# Altium PCB VNGS01 V1.31.PcbDoc (part 1 of 2) (continued)
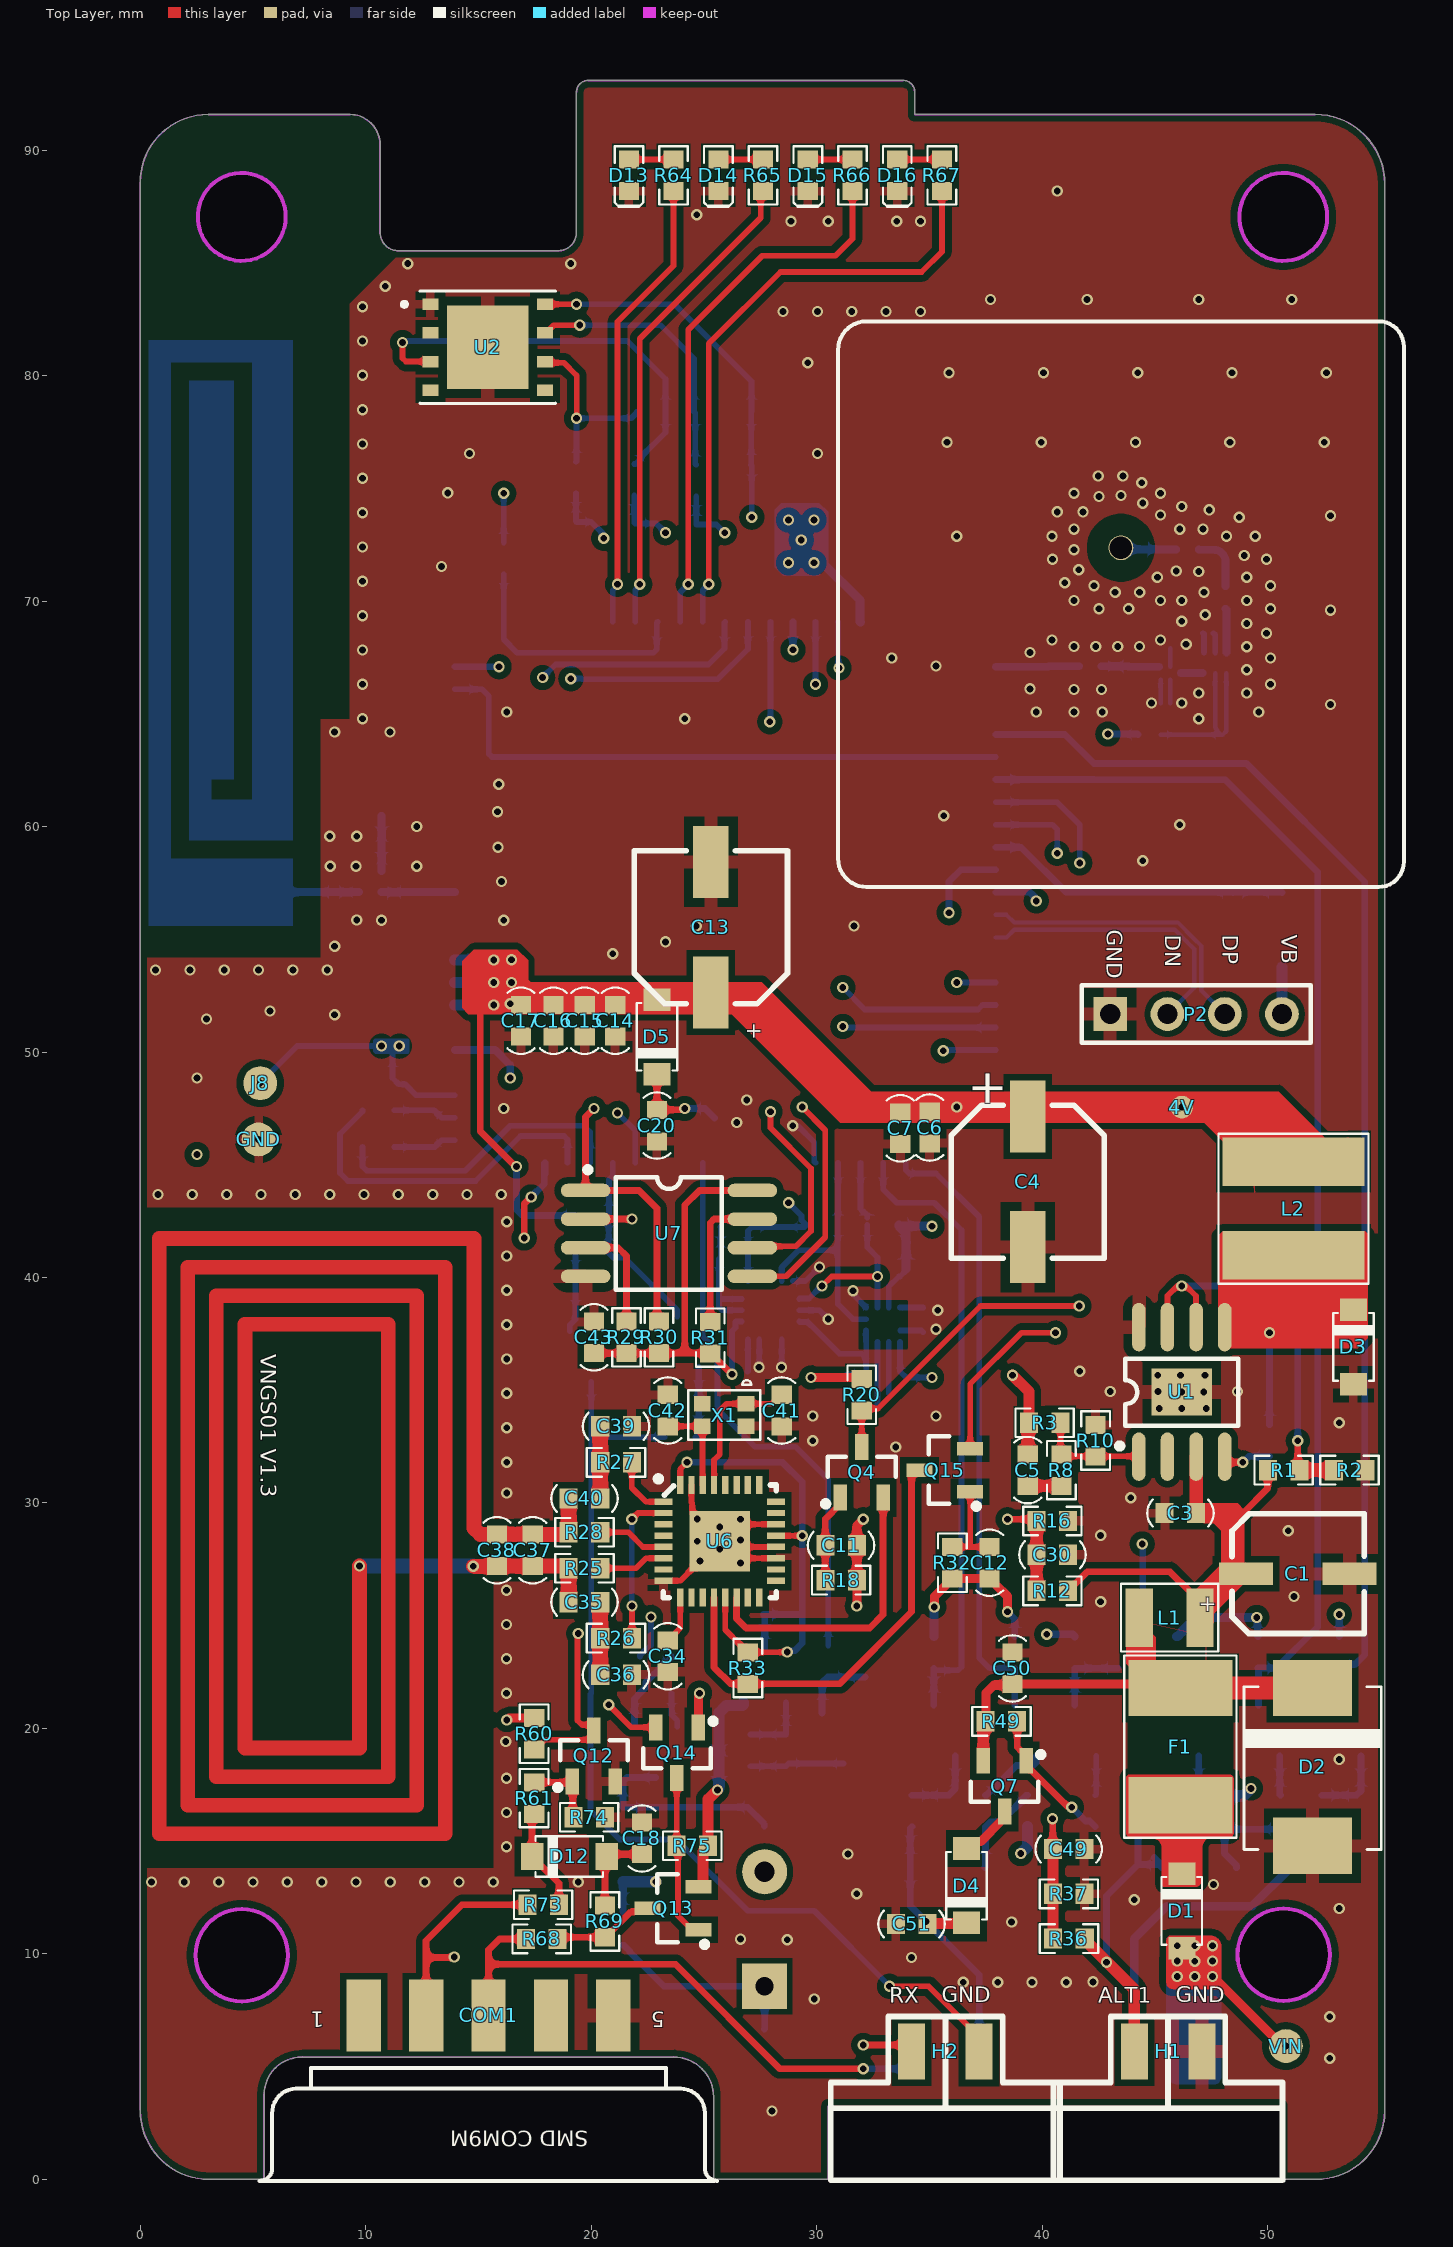
[diagram p0: Top Layer view]
## Design rules (kind name [scope] priority, off if disabled: settings) (continued)
Width [All] p2: maxlimit=1.27 minlimit=0.2 preferedwidth=0.3 minimp=50.000000 maximp=50.000000 favimp=50.000000
22 further rules are at their usual default settings.

## Classes and differential pairs
net class RF: GNSS_ANT NetAT1_1 NetAT2_1 NetC24_1 NetC27_1 NetC28_2 NetL4_1 NetU4_6 RF_ANT
differential pair class DIFF90: USB
component class "08 Peripherral": C18 C49 C50 C51 COM1 D4 D9 D10 D12 D13 D14 D15 D16 H1 H2 Q5 Q6 Q7 Q8 Q9 Q10 Q11 Q12 Q13 Q14 Q16 Q17 R36 R37 R38 R39 R40 R41 R42 R43 R44 R45 R46 R47 R48 R49 R50 R51 R52 R53 R54 R55 R56 R59 R60 R61 R62 R63 R64 R65 R66 R67 R68 R69 R70 R71 R72 R73 R74 R75
component class "07 Motion": C44 C45 C46 C47 C48 R34 R35 U8 U9
component class "06 Memories": C43 R29 R30 R31 U7
component class "05 RFID": C10 C11 C12 C33 C34 C35 C36 C37 C38 C39 C40 C41 C42 Q2 Q3 Q4 Q15 R18 R20 R21 R22 R23 R24 R25 R26 R27 R28 R32 R33 U6 X1
component class "04 Open MCU": AT1 AT2 BOOT C8 C9 C19 C20 C22 C24 C25 C26 C27 C28 C29 C30 C31 C52 C53 C54 D5 D6 D7 J1 J3 J8 L4 LS1 LS2 P2 Q1 R4 R5 R6 R7 R9 R11 R12 R13 R14 R15 R16 R17 R19 R57 U2 U3 U4 U5
component class "03 Power DC": 4V C1 C2 C3 C4 C5 C6 C7 C13 C14 C15 C16 C17 D1 D2 D3 F1 gnd GND2 L1 L2 R1 R2 R3 R8 R10 U1 VIN
differential pair USB: +USB_P -USB_N

## Components (designator, comment, footprint, x,y, rotation, side; value= is the part's Value field where it differs from the comment)
4V "" "Test Point 1 MM"#1 46.2,47.561 r0 top
AT1 "Anten RF" ANT_GSM 0.36,55.6 r90 bottom locked
AT2 "25x25x4" "Jinchang - 1575" 43.5,69.875 r180 top locked
BOOT "" "Test Point 1 MM"#1 16.118,74.791 r90 bottom
C1 "10uF/35V" CAP_ALUM_SMD_5054_TYPE_C 51.348,26.857 r0 top
C2 "100nF" "0603 - C" 50.089,32.768 r90 bottom
C3 "100nF" "0603 - C" 46.14,29.55 r0 top
C4 "220uF/6.3V" CAP_ALUM_SMD_6354_TYPE_D 39.367,44.251 r270 top
C5 "100nF" "0603 - C" 39.367,31.456 r270 top
C6 "10uF" "0603 - C" 35.016,46.655 r90 top
C7 "100nF" "0603 - C" 33.709,46.624 r90 top
C8 "NM" "0402 - C" 48.477,64.09 r0 bottom
C9 "NM" "0402 - C" 44.757,64.09 r180 bottom
C10 "100nF" "0603 - C" 26.365,19.724 r180 bottom
C11 "1nF" "0603 - C" 31.084,28.118 r0 top
C12 "1nF" "0603 - C" 37.674,27.347 r270 top
C13 "220uF/6.3V" CAP_ALUM_SMD_6354_TYPE_D 25.308,55.542 r90 top
C14 "1uF" "0603 - C" 21.068,51.394 r90 top
C15 "100nF" "0603 - C" 19.706,51.394 r90 top
C16 "33pF" "0603 - C" 18.322,51.394 r90 top
C17 "10pF" "0603 - C" 16.88,51.394 r90 top
C18 "100nF" "0603 - C" 22.25,15.115 r270 top
C19 "2.2uF" "0603 - C" 10.486,48.897 r180 bottom
C20 "2.2uF" "0603 - C" 22.915,46.743 r90 top
C22 "100nF" "0603 - C" 48.464,57.788 r270 bottom
C24 "470pF" "0402 - C" 46.453,72.305 r180 bottom
C25 "NM" "0402 - C" 11.8,56.6 r90 bottom
C26 "NM" "0402 - C" 8.6,56.6 r90 bottom
C27 "NM" "0402 - C" 40.293,66.616 r270 bottom
C28 "NM" "0402 - C" 11.202,59.105 r180 bottom
C29 "100nF" "0603 - C" 27.791,76.054 r0 bottom
C30 "100nF" "0603 - C" 40.46,27.701 r180 top
C31 "22pF" "0603 - C" 21.949,72.754 r90 bottom
C33 "100nF" "0603 - C" 26.945,25.056 r0 bottom
C34 "1nF" "0603 - C" 23.4,23.2 r270 top
C35 "150pF" "0603 - C" 19.7,25.6 r180 top
C36 "150pF" "0603 - C" 21.1,22.375 r180 top
C37 "220pF" "0603 - C" 17.4,27.9 r270 top
C38 "220pF" "0603 - C" 15.819,27.9 r90 top
C39 "150pF" "0603 - C" 21.1,33.4 r0 top
C40 "150pF" "0603 - C" 19.7,30.2 r180 top
C41 "22pF" "0603 - C" 28.447,34.1 r90 top
C42 "22pF" "0603 - C" 23.4,34.1 r270 top
C43 "100nF" "0603 - C" 20.121,37.347 r270 top
C44 "100nF" "0603 - C" 34.675,40.374 r180 bottom
C45 "100nF" "0603 - C" 33.975,34.863 r90 bottom
C46 "100nF" "0603 - C" 31.23,34.863 r90 bottom
C47 "10uF" "0603 - C" 26.432,42.243 r0 bottom
C48 "100nF" "0603 - C" 26.442,40.9 r0 bottom
C49 "100nF_NM" "0603 - C" 41.18,14.643 r180 top
C50 "100nF_NM" "0603 - C" 38.686,22.659 r270 top
C51 "100nF_NM" "0603 - C" 34.212,11.32 r0 top
C52 "22pF" "0603 - C" 19.32,72.851 r90 bottom
C53 "22pF" "0603 - C" 24.668,72.714 r90 bottom
C54 "NM" "0402 - C" 43.841,66.616 r270 bottom
COM1 "DB9 MALE" "DSB 9M-SM" 15.443,8.941 r180 top locked
D1 "60V 2A" SOD-123 46.2,11.9 r0 top
D2 "SMCJ33CA" "DIODE - SMC" 52,18.29 r270 top
D3 "60V 2A" SOD-123 53.815,36.926 r0 top
D4 "60V 2A" SOD-123 36.65,13.017 r180 top
D5 "1N4148" SOD-123 22.915,50.681 r180 top
D6 "60V 2A" SOD-123 50.645,55.431 r180 bottom
D7 "1N4148" SOD-123 21.408,14.846 r0 bottom
D9 "1N4148" SOD-123 46.978,13.82 r270 bottom
D10 "1N4148" SOD-123 35.81,13.83 r270 bottom
D12 "1N4148" SOD-123 19.027,14.318 r90 top
D13 "RED" "LED - 0603 - R" 21.673,88.9 r270 top locked
D14 "RED" "LED - 0603 - R" 25.642,88.9 r270 top locked
D15 "RED" "LED - 0603 - R" 29.61,88.9 r270 top locked
D16 "RED" "LED - 0603 - R" 33.579,88.9 r270 top locked
F1 "60V-750mA" "2016 - FUSE" 46.14,19.19 r90 top
GND "" "Test Point 1 MM"#2 5.24,46.125 r90 top
GND2 "" "Test Point 1 MM"#1 13.639,74.812 r90 bottom
H1 "MX3.0 RA 2*2P S" 43045-M3045-2x2-B 45.593,1.219 r0 top locked
H2 "MX3.0 RA 2*2P S" 43045-M3045-2x2-B 35.712,1.219 r0 top locked
J1 "IPEX MHF1_NM" IPEX 10.7,61.992 r270 bottom
J3 "MUP-C7801-2" MUP-C7801-2 26.84,85.158 r0 bottom locked
J8 "1V8" TP1 5.313,48.625 r0 top
L1 "2.2uH" "1210 - L" 45.663,24.912 r0 top
L2 "33uH, 1.5A" INDUCTOR-5D28 51.155,43.054 r90 top
L4 "6.8nH" "0402 - L" 48.143,70.171 r90 bottom
LS1 "3V SMD" "BUZZER - SMD - 1" 27.681,11.163 r90 bottom locked
LS2 "3V 9mm" Buzzer 27.695,11.097 r90 bottom locked
P2 "Header 4P" HDR1X4 43.025,51.69 r0 top
Q1 "2N3904" SOT23B 22.865,18.949 r270 bottom
Q2 "IRLML6402" SOT23B 27.695,22.275 r90 bottom
Q3 "2N3904" SOT23B 31.192,19.561 r270 bottom
Q4 "2N3904" SOT23B 31.999,31.358 r90 top
Q5 "2N3904" SOT23B 46,19.901 r90 bottom
Q6 "2N3904" SOT23B 35.2,19.901 r90 bottom
Q7 "IRLML6402" SOT23B 38.34,17.438 r270 top
Q8 "2N3904" SOT23B 53.2,19.901 r90 bottom
Q9 "2N3904" SOT23B 49.6,19.901 r90 bottom
Q10 "2N3904" SOT23B 38.8,19.901 r90 bottom
Q11 "2N3904" SOT23B 42.4,19.901 r270 bottom
Q12 "2N3904" SOT23B 20.117,18.774 r90 top
Q13 "2N3906" SOT23B 23.629,12.016 r180 top
Q14 "2N3904" SOT23B 23.804,18.919 r270 top
Q15 "2N3904" SOT23B 35.685,31.456 r180 top
Q16 "2N3904" SOT23B 23.815,37.147 r90 bottom
Q17 "2N3904" SOT23B 20,36.496 r270 bottom
R1 "510K" "0603 - R" 50.718,31.456 r180 top
R2 "510K" "0603 - R" 53.643,31.456 r180 top
R3 "510K" "0603 - R" 40.117,33.556 r180 top
R4 "10K" "0603 - R" 10.555,47.419 r180 bottom
R5 "10K" "0603 - R" 10.555,45.794 r180 bottom
R6 "0R" "0402 - R" 10.2,57.1 r180 bottom
R7 "0R" "0402 - R" 10.7,57.532 r90 bottom
R8 "4.7K" "0603 - R" 40.859,31.456 r270 top
R9 "1K" "0603 - R" 16.118,71.907 r270 bottom
R10 "27K" "0603 - R" 42.376,32.768 r270 top
R11 "10K" "0603 - R" 21.408,11.072 r270 bottom
R12 "150K" "0603 - R" 40.46,26.101 r0 top
R13 "22R" "0603 - R" 24.663,75.354 r90 bottom
R14 "22R" "0603 - R" 19.32,75.491 r90 bottom
R15 "1K" "0603 - R" 22.865,23.187 r0 bottom
R16 "4.7K" "0603 - R" 40.46,29.201 r180 top
R17 "22R" "0603 - R" 21.914,75.394 r90 bottom
R18 "4.7K" "0603 - R" 31.084,26.574 r0 top
R19 "10K" "0603 - R" 22.865,21.56 r180 bottom
R20 "10K" "0603 - R" 31.999,34.8 r90 top
R21 "1K" "0603 - R" 30.515,22.975 r270 bottom
R22 "10K" "0603 - R" 32.142,22.975 r270 bottom
R23 "10K" "0603 - R" 26.365,18.324 r180 bottom
R24 "100K" "0603 - R" 28.645,19.024 r90 bottom
R25 "330R" "0603 - R" 19.7,27.1 r180 top
R26 "0R" "0603 - R" 21.1,24 r180 top
R27 "0R" "0603 - R" 21.1,31.8 r180 top
R28 "330R" "0603 - R" 19.7,28.7 r180 top
R29 "10K" "0603 - R" 21.564,37.347 r270 top
R30 "10K" "0603 - R" 23.008,37.347 r270 top
R31 "10K" "0603 - R" 25.279,37.333 r270 top
R32 "4.7K" "0603 - R" 36.023,27.347 r270 top
R33 "10K" "0603 - R" 26.949,22.675 r90 top
R34 "4.7K" "0603 - R" 30.242,42.329 r180 bottom
R35 "4.7K" "0603 - R" 32.95,42.329 r0 bottom
R36 "10K_NM" "0603 - R" 41.195,10.673 r0 top
R37 "4.7K_NM" "0603 - R" 41.19,12.658 r180 top
R38 "10K" "0603 - R" 45.97,23.375 r90 bottom
R39 "10K" "0603 - R" 35.217,23.375 r90 bottom
R40 "68K" "0603 - R" 44.123,16.36 r90 bottom
R41 "68K" "0603 - R" 34.236,16.334 r90 bottom
R42 "10K" "0603 - R" 45.733,16.292 r90 bottom
R43 "10K" "0603 - R" 35.825,16.334 r90 bottom
R44 "10K" "0603 - R" 53.187,23.375 r90 bottom
R45 "10K" "0603 - R" 49.58,23.375 r90 bottom
R46 "10K" "0603 - R" 38.79,23.37 r90 bottom
R47 "10K" "0603 - R" 48.1,16.223 r90 bottom
R48 "10K" "0603 - R" 39.351,16.334 r270 bottom
R49 "1M_NM" "0603 - R" 38.199,20.312 r180 top
R50 "68K" "0603 - R" 52.416,16.334 r270 bottom
R51 "210K" "0603 - R" 51.689,13.83 r0 bottom
R52 "68K" "0603 - R" 50.581,16.334 r90 bottom
R53 "68K" "0603 - R" 37.493,16.334 r90 bottom
R54 "100K" "0603 - R" 42.365,16.334 r270 bottom
R55 "10K" "0603 - R" 54.05,16.334 r270 bottom
R56 "10K" "0603 - R" 41.45,23.37 r270 bottom
R57 "0R" "0402 - R" 42.141,67.123 r180 bottom
R59 "10K_NM" "0603 - R" 43.37,23.37 r270 bottom
R60 "10K" "0603 - R" 17.466,19.758 r90 top
R61 "10K" "0603 - R" 17.466,16.904 r90 top
R62 "10K" "0603 - R" 20,42.747 r180 bottom
R63 "1K" "0603 - R" 23.95,32.909 r0 bottom
R64 "120R" "0603 - R" 23.651,88.9 r270 top locked
R65 "120R" "0603 - R" 27.62,88.9 r270 top locked
R66 "120R" "0603 - R" 31.588,88.9 r270 top locked
R67 "120R" "0603 - R" 35.557,88.9 r270 top locked
R68 "1K" "0603 - R" 17.804,10.657 r180 top
R69 "10K" "0603 - R" 20.606,11.432 r270 top
R70 "10K" "0603 - R" 23.95,34.309 r0 bottom
R71 "1K_NM" "0603 - R" 20,41.216 r180 bottom
R72 "10K_NM" "0603 - R" 20,39.433 r180 bottom
R73 "1K" "0603 - R" 17.865,12.175 r180 top
R74 "10K" "0603 - R" 19.906,16.054 r0 top
R75 "1K" "0603 - R" 24.479,14.789 r0 top
U1 "MP9486A" "SOIC8 - POWER" 46.2,34.925 r90 top
U2 "e-SIM" "E-SIM 5*6mm" 12.412,78.785 r0 top
U3 "A7672x" A7672 25.95,57.09 r270 bottom locked
U4 "MAX2659ELT+T" SOT886 47.681,67.267 r270 bottom
U5 "SAFFB1G56KB0F0A" SAFFB1G56KB0F0A 46.232,66.365 r180 bottom
U6 "CR95HF" 32-VFQFN 25.7,28.3 r0 top locked
U7 "Flash 64Mbit" "8 - SOIC" 23.448,41.958 r0 top
U8 "KXTJ3-1057" KIONIX_KXTJ3-1057 32.95,37.905 r270 bottom locked
U9 "LIS3DSHTR" "QFN16P 3x3 - 1" 27.95,38.547 r270 bottom
VIN "" "Test Point 1 MM"#2 50.819,5.904 r90 top
X1 "Crystal 27.12MHz" "CRYSTAL 2016" 25.9,33.9 r270 top

## Footprints (in the part's own frame and the unit in brackets; to place one, negate y for a bottom-side part, rotate by r counter-clockwise, add the part's x,y. Pads: shape width x height; smd on the part's side, far side on the other; paste and mask are expansions set on the pad)
"8 - SOIC" [mm] "SOIC, 8-Leads, Body 5.3x3.9mm, Pitch 1.27mm, IPC Medium Density"
  oval 2.2x0.6 smd: 1(-3.7,1.905) 2(-3.7,0.635) 3(-3.7,-0.635) 4(-3.7,-1.905) 5(3.7,-1.905) 6(3.7,-0.635) 7(3.7,0.635) 8(3.7,1.905)
  silkscreen extent -3.72,-2.5 2.35,2.95, body extent -4.08,-2.73 4.02,2.73, height 1.75
32-VFQFN [mil] "VFQFN, 32-lead, Body 5x5 mm, 0.5 mm pitch,IPC High Density"
  rect 31.5x11 smd mask+4.5: 1(-98.42,68.89) 2(-98.42,49.21) 3(-98.42,29.53) 4(-98.42,9.84) 5(-98.42,-9.84) 6(-98.42,-29.52) 7(-98.42,-49.21) 8(-98.42,-68.89) 17(98.43,-68.89) 18(98.43,-49.21) 19(98.43,-29.52) 20(98.43,-9.84) 21(98.43,9.84) 22(98.43,29.53) 23(98.43,49.21) 24(98.43,68.89)
  rect 11x31.5 smd mask+4.5: 9(-68.91,-98.42) 10(-49.22,-98.42) 11(-29.54,-98.42) 12(-9.86,-98.42) 13(9.83,-98.42) 14(29.51,-98.42) 15(49.19,-98.42) 16(68.88,-98.42) 25(68.88,98.43) 26(49.19,98.43) 27(29.51,98.43) 28(9.83,98.43) 29(-9.86,98.43) 30(-29.54,98.43) 31(-49.22,98.43) 32(-68.91,98.43)
  rect 106.3x106.3 smd paste-118.11: 33(0.08,-0.06)
  silkscreen extent -112,-99 99,114, body extent -99,-99 99,99, height 30
"0402 - C" [mm] "Chip Capacitor, Body 1.0x0.5mm, IPC High Density"
  rect 0.6x0.5 smd: 1(-0.5,0) 2(0.5,0)
  silkscreen extent -1.12,-0.43 1.12,0.43, body extent -0.5,-0.26 0.5,0.27, height 0.36
"0402 - L" [mm] "Chip Inductor, Body 1.0x0.5mm, IPC High Density"
  rect 0.6x0.5 smd: 1(-0.5,0) 2(0.5,0)
  silkscreen extent -0.99,-0.43 0.99,0.43, body extent -0.5,-0.25 0.5,0.25, height 0.25
"0402 - R" [mm] "Chip Resistor, Body 1.0x0.5mm, IPC High Density"
  rect 0.6x0.5 smd: 1(-0.5,0) 2(0.5,0)
  silkscreen extent -0.99,-0.43 0.99,0.43, body extent -0.5,-0.25 0.5,0.25, height 0.35
"0603 - C" [mm] "Chip Capacitor, Body 1.6x0.8mm, IPC High Density"
  rect 0.8x0.9 smd: 1(-0.7,0) 2(0.7,0)
  silkscreen extent -1.47,-0.6 1.47,0.6, body extent -0.8,-0.4 0.8,0.4, height 0.8
"0603 - R" [mm] "Chip Resistor, Body 1.6x0.8mm, IPC High Density"
  rect 0.8x0.9 smd paste-0.025: 1(-0.7,0) 2(0.7,0)
  silkscreen extent -1.3,-0.64 1.3,0.64, body extent -0.77,-0.42 0.78,0.43, height 0.45
"1210 - L" [mm] "Chip Capacitor, Body 2.54x1.27mm, IPC High Density"
  rect 1.2x2.6 smd: 1(-1.35,0) 2(1.35,0)
  silkscreen extent -2.16,-1.5 2.16,1.5, body extent -1.6,-1.25 1.6,1.25, height 1.9
"2016 - FUSE" [mm] "Chip Resetable Fuse,  Body 5.1x4.2mm, IPC High Density"
  rect 2.5x4.6 smd: 1(-2.6,0) 2(2.6,0)
  silkscreen extent -4.04,-2.49 4.04,2.49, body extent -2.72,-2.25 2.72,2.26, height 2
43045-M3045-2x2-B [mm] "Micro-Fit 3.0™ Vertical Angle Header, 3.00mm Pitch, Dual Row, 4 Circuits, with Solder Tab, Gold, Glow Wire Capable, Black"
  rect 1.2x2.5 smd far side: 1(-1.5,4.445) 3(1.5,4.445)
  rect 1.2x2.5 smd: 2(-1.5,4.445) 4(1.5,4.445)
  silkscreen extent -5.08,-1.27 5.08,5.99, body extent -4.86,-7.97 4.86,5.68, height 3.62
A7672 [mm]
  oval 1.6x0.6 smd: 1(-12,8) 2(-12,7) 3(-12,6) 4(-12,5) 5(-12,4) 6(-12,3) 7(-12,2) 8(-12,1) 9(-12,0) 10(-12,-1) 11(-12,-2) 12(-12,-3) 13(-12,-4) 14(-12,-5) 15(-12,-6) 16(-12,-7) 17(-12,-8) 35(12,-8) 36(12,-7) 37(12,-6) 38(12,-5) 39(12,-4) 40(12,-3) 41(12,-2) 42(12,-1) 43(12,0) 44(12,1) 45(12,2) 46(12,3) 47(12,4) 48(12,5) 49(12,6) 50(12,7) 51(12,8)
  oval 0.6x1.6 smd: 18(-8,-12) 19(-7,-12) 20(-6,-12) 21(-5,-12) 22(-4,-12) 23(-3,-12) 24(-2,-12) 25(-1,-12) 26(0,-12) 27(1,-12) 28(2,-12) 29(3,-12) 30(4,-12) 31(5,-12) 32(6,-12) 33(7,-12) 34(8,-12) 52(8,12) 53(7,12) 54(6,12) 55(5,12) 56(4,12) 57(3,12) 58(2,12) 59(1,12) 60(0,12) 61(-1,12) 62(-2,12) 63(-3,12) 64(-4,12) 65(-5,12) 66(-6,12) 67(-7,12) 68(-8,12) 89(-11.01,-12) 90(-10.01,-12) 91(-9,-12) 92(9,-12) 93(10,-12) 94(11,-12) 95(11,12) 96(10,12) 97(9,12) 98(-9.01,12) 99(-10.01,12) 100(-11.01,12)
  rect 2x2 smd: 69(-7.611,7.6) 70(-7.611,3.8) 71(-7.611,0) 72(-7.611,-3.8) 73(-7.611,-7.6) 74(-3.811,-7.6) 75(-0.011,-7.6) 76(3.789,-7.6) 77(7.589,-7.6) 78(7.589,-3.8) 79(7.589,0) 80(7.589,3.8) 81(7.589,7.6) 82(3.589,7.6) 83(-0.011,7.6) 84(-3.811,7.6) 85(-3.811,0) 86(-0.011,-3.8) 87(3.789,0) 88(-0.011,3.8)
  rect 1x0.8 smd: 116(9.79,0.7)
  silkscreen extent -14.1,-12.07 12.08,12.08, body extent -12.02,-11.93 11.99,12.08, height 3.02
ANT_GSM [mm] "Antenna GSM PCB"
  rect 3x1.5 smd mask+0.102: 1(1.5,5.64)
  Top Layer region: 6.5,3.8 24.2,3.8 24.2,1.8 6.5,1.8
  Top Layer region: 3.8,6.4 5.6,6.4 5.6,1.8 3.8,1.8
  Top Layer region: 3.8,6.4 26,6.4 26,4.6 3.8,4.6
  Top Layer region: 25,6.4 26,6.4 26,0 25,0
  Top Layer region: 0,6.4 3,6.4 3,0 0,0
  Top Layer region: 0,1 26,1 26,0 0,0
  Top Layer region: 3.8,2.801 24.2,2.801 24.2,1.801 3.8,1.801
  silkscreen extent -0.3,-0.22 26.22,6.68
Buzzer [mm] "Buzer 9mm"
  rect 2x2 hole 0.8: 1(-2.54,0)
  round 2 hole 0.889: 2(2.54,0)
  silkscreen extent -4.6,-4.6 4.6,4.6, body extent -4.55,-4.55 4.55,4.55, height 5.6
"BUZZER - SMD - 1" [mm] "Buzer 9mm, SMD"
  rect 3x1.8 smd: 1(-4.5,0) 2(4.5,0)
  silkscreen extent -6.25,-4.8 4.8,4.8, body extent -5,-4.8 5,4.8, height 4.85
CAP_ALUM_SMD_5054_TYPE_C [mm]
  rect 2.4x1 smd paste-0.05: 1(-2.3,0) 2(2.3,0)
  silkscreen extent -2.92,-2.65 2.95,2.67, body extent -2.95,-2.65 2.95,2.65, height 5.41
CAP_ALUM_SMD_6354_TYPE_D [mm] "Capacitor, Aluminum Electrolytic; 6.60 mm L X 6.60 mm W X 5.40 mm H body"
  rect 3.2x1.58 smd paste-0.1: 1(-2.9,0) 2(2.9,0)
  silkscreen extent -3.4,-3.4 3.4,3.4, body extent -3.47,-3.3 3.53,3.3, height 5.4
"CRYSTAL 2016" [mm] "Surface Mount,4-SMD, No Lead (DFN, LCC),2.00mm x 1.60mm"
  rect 0.7x0.75 smd mask+0.119: 1(-0.5,0.975) 2(-0.5,-0.975) 3(0.5,-0.975) 4(0.5,0.975)
  silkscreen extent -1.55,-1.6 1.1,1.6, body extent -0.77,-0.98 0.83,1.01, height 0.7
"DIODE - SMC" [mm] "Diode; 2 Leads, 6.8x5.9mm"
  rect 2.5x3.5 smd: 1(3.5,0) 2(-3.5,0)
  silkscreen extent -3.56,-3.1 3.66,3.05, body extent -4.06,-3.05 4.07,3.05, height 2.4
"DSB 9M-SM" [mil] "Com 9 chan SMD,F"
  rect 60x125.98 smd: 1(218.11,66) 2(109.06,66) 3(0,66) 4(-109.06,66) 5(-218.11,66)
  rect 60x125.98 smd far side: 6(163.58,66) 7(54.53,66) 8(-54.53,66) 9(-163.58,66)
  silkscreen extent -399,158 400,355, body extent -606,20 607,619, height 220
"E-SIM 5*6mm" [mm]
  rect 0.71x0.51 smd: 1(0.447,4.394) 2(0.447,3.124) 3(0.447,1.854) 4(0.447,0.584) 5(5.547,0.584) 6(5.547,1.854) 7(5.547,3.124) 8(5.547,4.394)
  rect 3.6x3.7 smd paste-3: 9(2.997,2.489)
  silkscreen extent -0.8,-0.01 6,4.99, body extent 0,-0.01 6,4.99, height 0.82
HDR1X4 [mm] "Connector; Header; 4 Position"
  rect 1.5x1.5 hole 0.9: 1(0,0)
  round 1.5 hole 0.9: 2(2.54,0) 3(5.08,0) 4(7.62,0)
  silkscreen extent -1.27,-1.27 8.89,1.27, body extent -1.27,-1.27 8.89,1.27, height 7
INDUCTOR-5D28 [mm] "Shielded Inductor 6x6mm"
  rect 2.15x6.3 smd: 1(-2.075,0) 2(2.075,0)
  silkscreen extent -3.33,-3.33 3.33,3.33, body extent -3.1,-3 2.9,3, height 3
IPEX [mm] "Connector SMA, 3mmx3.1mm, high 1.25mm."
  rect 1x1 smd: 1(1.5,0)
  rect 2.2x1.1 smd: 2(0,-1.45) 2(0,1.45)
  Top Layer pour cut-out: -1.194,0.787 -1.194,-0.787 1.194,-0.787 1.194,0.787
  silkscreen extent -1.6,-1.55 1.6,1.55, body extent -1.55,-1.5 1.55,1.5, height 1.25
"Jinchang - 1575" [mm] "Anten GPS, 25x25x4mm"
  round 1.1 hole 1: 1(0,-2.5)
  round 2.5 smd far side: 1(0,-2.5)
  Top Layer pour cut-out: -1.5,-2.5 -1.386,-3.074 -1.061,-3.561 -0.574,-3.886 0,-4 0,-4 0.574,-3.886 1.061,-3.561 1.386,-3.074 1.5,-2.5 1.5,-2.5 1.386,-1.926 1.061,-1.439 0.574,-1.114 0,-1 0,-1 -0.574,-1.114 -1.061,-1.439 -1.386,-1.926 -1.5,-2.5
  Bottom Layer pour cut-out: -1.75,-2.5 -1.617,-3.17 -1.237,-3.737 -0.67,-4.117 0,-4.25 0,-4.25 0.67,-4.117 1.237,-3.737 1.617,-3.17 1.75,-2.5 1.75,-2.5 1.617,-1.83 1.237,-1.263 0.67,-0.883 0,-0.75 0,-0.75 -0.67,-0.883 -1.237,-1.263 -1.617,-1.83 -1.75,-2.5
  silkscreen extent -12.55,-12.55 12.55,12.55, body extent -12.55,-12.4 12.45,12.6, height 5
KIONIX_KXTJ3-1057 [mm]
  rect 0.275x0.25 smd: 1(-0.763,0.75) 2(-0.763,0.25) 3(-0.763,-0.25) 4(-0.763,-0.75) 7(0.763,-0.75) 8(0.763,-0.25) 9(0.763,0.25) 10(0.763,0.75)
  rect 0.25x0.275 smd: 5(-0.25,-0.763) 6(0.25,-0.763) 11(0.25,0.763) 12(-0.25,0.763)
  silkscreen extent -1.7,-1.19 1.19,1.19
"LED - 0603 - R" [mm] "Chip Capacitor, Body 1.6x0.8mm, IPC High Density"
  rect 0.8x0.9 smd: 1(-0.7,0) 2(0.7,0)
  silkscreen extent -1.3,-0.64 1.4,0.64, body extent -0.8,-0.4 0.8,0.4, height 0.6
MUP-C7801-2 [mm]
  rect 0.75x1.13 smd: 1(0.26,6.743) 2(-2.28,6.743) 3(-4.82,6.743) 5(1.53,6.743) 6(-1.01,6.743) 7(-3.55,6.743)
  rect 0.65x1.13 smd: CD(2.48,6.743)
  rect 0.58x1.9 smd: FR(-6.5,-6.742) FR(6.5,-6.742)
  rect 0.58x2.2 smd: FR(-6.5,5.258) FR(6.5,5.258)
  Top Layer pour cut-out: 0.285,-7.143 2.235,-7.143 2.235,-4.343 0.285,-4.343
  Top Layer pour cut-out: -2.255,-7.143 -0.305,-7.143 -0.305,-4.343 -2.255,-4.343
  Top Layer pour cut-out: 0.485,-1.242 2.035,-1.242 2.035,1.707 0.485,1.707
  Top Layer pour cut-out: -2.055,-1.242 -2.055,1.707 -0.505,1.707 -0.505,-1.242
  Top Layer pour cut-out: -4.595,-1.242 -3.045,-1.242 -3.045,1.707 -4.595,1.707
  Top Layer pour cut-out: -4.795,-4.343 -2.845,-4.343 -2.845,-7.143 -4.795,-7.143
  Top Layer pour cut-out: 0.6,3.107 2,3.107 2,5.407 0.6,5.407
  silkscreen extent -6.1,-7.49 6.1,6.01
"QFN16P 3x3 - 1" [mm] "QFN, 16-Leads, Body 3.00x3.00mm, Pitch 0.50mm, IPC Medium Density"
  rect 0.8x0.3 smd paste-0.015: 1(-1.3,1) 2(-1.3,0.5) 3(-1.3,0) 4(-1.3,-0.5) 5(-1.3,-1) 9(1.3,-1) 10(1.3,-0.5) 11(1.3,0) 12(1.3,0.5) 13(1.3,1)
  rect 0.3x0.8 smd paste-0.015: 6(-0.5,-1.275) 7(0,-1.275) 8(0.5,-1.275) 14(0.5,1.275) 15(0,1.275) 16(-0.5,1.275)
  Top Layer pour cut-out: -0.762,-0.762 -0.762,0.762 0.762,0.762 0.762,-0.762
  Top Layer pour cut-out: -0.843,0.779 -1.923,0.779 -1.923,1.212 -0.843,1.212
  Top Layer pour cut-out: -0.843,0.28 -1.923,0.28 -1.923,0.712 -0.843,0.712
  Top Layer pour cut-out: -0.843,-0.221 -1.923,-0.221 -1.923,0.212 -0.843,0.212
  Top Layer pour cut-out: -0.843,-0.721 -1.923,-0.721 -1.923,-0.289 -0.843,-0.289
  Top Layer pour cut-out: -0.843,-1.221 -1.923,-1.221 -1.923,-0.788 -0.843,-0.788
  Top Layer pour cut-out: -0.28,-0.818 -0.28,-1.897 -0.712,-1.897 -0.712,-0.818
  Top Layer pour cut-out: 0.221,-0.818 0.221,-1.897 -0.212,-1.897 -0.212,-0.818
  Top Layer pour cut-out: 0.721,-0.818 0.721,-1.897 0.289,-1.897 0.289,-0.818
  Top Layer pour cut-out: 0.843,-0.779 1.923,-0.779 1.923,-1.212 0.843,-1.212
  Top Layer pour cut-out: 0.843,-0.28 1.923,-0.28 1.923,-0.712 0.843,-0.712
  Top Layer pour cut-out: 0.843,0.221 1.923,0.221 1.923,-0.212 0.843,-0.212
  Top Layer pour cut-out: 0.843,0.721 1.923,0.721 1.923,0.289 0.843,0.289
  Top Layer pour cut-out: 0.843,1.221 1.923,1.221 1.923,0.788 0.843,0.788
  Top Layer pour cut-out: 0.28,0.818 0.28,1.897 0.712,1.897 0.712,0.818
  Top Layer pour cut-out: -0.221,0.818 -0.221,1.897 0.212,1.897 0.212,0.818
  Top Layer pour cut-out: -0.721,0.818 -0.721,1.897 -0.289,1.897 -0.289,0.818
  silkscreen extent -1.93,-1.55 1.55,1.95, body extent -1.56,-1.56 1.56,1.56, height 0.5
SAFFB1G56KB0F0A [mm] "SAW Filter RF 1561.1MHz/1575.42MHz/1602MHz 1.9dB 50Ohm SMD 5 Pin Ammo"
  rect 0.25x0.25 smd paste+0 mask+0.102: 1(0.125,0.45)
  rect 0.2x0.325 smd paste+0 mask+0.102: 2(0.55,0.162) 5(0.55,0.737)
  rect 0.25x0.325 smd paste+0 mask+0.102: 3(0.975,0.162) 4(0.975,0.737)
  body extent 0.13,0.16 0.97,0.74, height 0.2
SOD-123 [mm] "SOD123, 2-Leads, Body 2.6x1.6mm, Pitch 3.05mm, IPC High Density"
  rect 1.2x1 smd: 1(0,-1.652) 2(0,1.652)
  silkscreen extent -0.9,-1.5 0.9,1.5, body extent -0.8,-1.85 0.8,1.85, height 1.27
"SOIC8 - POWER" [mm] "SOIC, 8-Leads, Body 4.9x3.9mm, Pitch 1.27mm, IPC Medium Density"
  oval 2.15x0.6 smd: 1(-2.875,1.905) 2(-2.875,0.635) 3(-2.875,-0.635) 4(-2.875,-1.905) 5(2.875,-1.905) 6(2.875,-0.635) 7(2.875,0.635) 8(2.875,1.905)
  rect 2.1x2.7 smd: 9(0,0)
  silkscreen extent -2.52,-2.5 1.48,2.88, body extent -3,-2.45 3,2.45, height 1.75
SOT23B [mm] "SOT23, 3-Leads, Body 2.9x1.3mm, Pitch 0.95mm, Lead Span 2.4mm, IPC High Density"
  rect 1.15x0.6 smd: 1(-1.125,0.95) 2(-1.125,-0.95) 3(1.125,0)
  silkscreen extent -1.52,-1.5 0.7,1.72, body extent -1.25,-1.5 1.25,1.5, height 1.05
SOT886 [mm] "6-Leads, Body 1.5x1.0mm, Pitch 0.5mm, IPC High Density"
  rect 0.7x0.23 smd mask+0.05: 1(-0.465,0.5) 2(-0.465,0) 3(-0.465,-0.5) 4(0.465,-0.5) 5(0.465,0) 6(0.465,0.5)
  silkscreen extent -1.17,-0.76 0.51,0.76, body extent -0.53,-0.76 0.52,0.74, height 0.49
"Test Point 1 MM"#1 [mm] "Test Point 1 MM"
  round 1 smd paste-5: 0(0,0)
"Test Point 1 MM"#2 [mm] "Test Point 1 MM"
  round 1.5 smd paste-5: 0(0,0)
TP1 [mm] "TP1, 1mm, 1 layer"
  round 1.5 smd paste-0.75: 1(0,0)

## Part data
4V BOOT GND GND2 VIN: library part "Test Point", "Test Point", Solder=NF
AT1: library part ANT_GSM_PCB, "Antenna GSM PCB", Part Number=PCB, Brand=VNET
AT2: library part "ANT-GPS 25x25", "25x25x4mm thick GPS Patch Antenna", MFR="Jinchang & Amotech", MPN=JTDT1575-1602S, MPN2=A25-4102820-AMT23, Company ID="VT_ANT_GPS 1596"
C1: library part "Cap Alu 10uF/35V", "CAP ALUM 10UF 20% 35V SMD 5x5.4mm", MFR=Nichicon, MPN=UWT1V100MCL1GB, Company ID="VT_CAP ALU 10uF 35V"
C2 C3 C5 C7 C10 C15 C18 C22 C29 C30 C33 C43 C44 C45 C46 C48 C49 C50 C51: library part "Cap 0603 100nF", "CAP CER 100nF 50V C0G/NP0 0603", MFR=SAMSUNG, MPN=CL10C104JB8NNNC, Package=0603, Voltage=50V, Size="C0603: 100nF"
  C2 C3 C5 C7 C15 C29 C30 C43 C49: Company ID="VT_TỤ ĐIỆN_C0603 100nF"
  C10 C18 C22 C33 C44 C45 C46 C48 C50 C51: Company ID="VT_CAP_C0603 100nF"
C4 C13: library part "Cap Alu 220uF/6.3V", "CAP.EL.220uF 6.3V 6.3x5.4 85C 2000H SMT", MFR=Su'scon, MPN=CS006M221E5APKKKV00R, Company ID="VT_CAP ALU 220uF 6.3V"
C6: library part "Cap 0603 10uF", "CAP CER 10UF 16V X5R 0603", MFR=Yageo, MPN=EMK107BBJ106MA-T, Package=0603, Company ID="VT_CAP_C0603 10uF", Size="C0603: 10uF"
C8 C9 C25 C26 C27 C28 C54: library part "Cap 0402 NM", "CAP CER NM X5R 0402", MFR=Yageo, Package=0402, Voltage=6.3V, Company ID="VT_TỤ ĐIỆN_C0402 NM", MPN=NM, Size="C0402: NM"
C11 C12 C34: library part "Cap 0603 1nF", "CAP CER 1000PF 50V C0G/NP0 0603", MFR=SAMSUNG, MPN=CL10C102JB8NNNC, Size="C0603: 1nF"
  C11 C12: Company ID="VT_CAP_C0603 1nF"
  C34: Company ID="VT_TỤ ĐIỆN_C0603 1nF"
C14: library part "Cap 0603 1uF", "CAP CER 1UF 50V X5R 0603", MFR=Yageo, MPN=CC0603KPX5R9BB105, Company ID="VT_CAP_C0603 1uF", Size="C0603: 1uF"
C16: library part "Cap 0603 33pF", "CAP CER 33PF 50V C0G 0603", MFR=Yageo, MPN=AC0603FRNPO9BN330, Company ID="VT_CAP_C0603 33pF", Size="C0603: 33pF"
C17: library part "Cap 0603 10pF", "CAP CER 10PF 50V C0G/NP0 0603", MFR=SAMSUNG, MPN=CL10C100JB8NNNC, Company ID="VT_CAP_C0603 10pF", Size="C0603: 10pF"
C19 C20: library part "Cap 0603 2.2uF", "CAP CER 2.2UF 50V X5R 0603", MFR="Murata Electronics", MPN=GRM188R61H225KE11J, Company ID="VT_CAP_C0603 2.2uF", Size="C0603: 2.2uF"
C24: library part "Cap 0402 470pF", "CAP CER 470PF 50V X7R 0402", MFR=Samsung, MPN=CL05B471JB5NNNC, Package=0402, Voltage=50V, Company ID="VT_TỤ ĐIỆN_C0402 470pF", Size="C0402: 820pF"
C31 C41 C42 C52 C53: library part "Cap 0603 22pF", "CAP CER 22PF 50V C0G/NP0 0603", MFR=SAMSUNG, MPN=CL10C220JB8NNNC, Company ID="VT_TỤ ĐIỆN_C0603 22pF", Size="C0603: 22pF"
C35 C36 C39 C40: library part "Cap 0603 150pF", "CAP CER 150PF 50V C0G/NP0 0603", MFR=SAMSUNG, MPN=CL10C151JB8NNNC, Company ID="VT_TỤ ĐIỆN_C0603 150pF", Size="C0603: 150pF"
C37 C38: library part "Cap 0603 220pF", "CAP CER 220PF 50V C0G/NP0 0603", MFR=SAMSUNG, MPN=CL10C221JB8NNNC, Company ID="VT_TỤ ĐIỆN_C0603 220pF", Size="C0603: 220pF"
C47: library part "Cap 0603 10uF", "CAP CER 10UF 6.3V X5R 0603", MFR=Yageo, MPN=CC0603KRX5R5BB106, Package=0603, Voltage=6.3V, Company ID="VT_CAP_C0603 10uF", Size="C0603: 10uF"
COM1: library part "DB9M S", "CONN D-SUB PLUG 9POS PNL MNT", MFR="Norcomp Inc.", MPN=772-E09-103R001, Company ID="VT_CONN_DB9 male, thẳng"
D1 D3 D4 D6: library part "Diode PMEG6020ER", "DIODE SCHOTTKY 60V 2A SOD123W", MFR=NXP, MPN=PMEG6020ER,115, Company ID=VT_DIODE_PMEG6020ER
D2: library part SMCJ33A, "TVS DIODE 33V 36.7V", MFR="Bourns Inc.", MPN=SMCJ33CABTR-ND, Company ID="VT_DIODE_ SMCJ33"
D5 D7 D9 D10 D12: library part "Diode 1N4148", "DIODE GEN PURP 100V 300MA SOD123", MFR=DIODES, MPN=1N4148W-7-F, Company ID=VT_DIODE_1N4148W-7-F
D13 D14 D15 D16: library part "LED 0603 RED", "LED RED CLEAR 0603 SMD", MFR=Everlight, MPN=QTLP601CRTR, Company ID="VT_LED_0603 RED", Size="LED 0603 - RED"
F1: library part "Fuse 60V - 750mA", "PTC RESET FUSE 60V 750MA 2016", MFR="Littelfuse Inc.", MPN=2016L075/60MR, Company ID="VT_Fuse_60V - 750mA"
H1 H2: library part "HD2x2 S", "Micro-Fit 3.0™ Straight Header, 3.00mm Pitch, Dual Row, 4 Circuits", MFR=China, MPN=M3045-2x2-B, MPN2=43045-, Company ID="VT_CONN_2*2 (M3045)"
J1: library part IPEX, "CONN UMC RCPT STR 50 OHM SMD", MFR=Taoglas, MPN=RECE.20279.001E.01, MPN2=MUP-R4151, Company ID=VT_CONN_IPEX
J3: library part "Socket Nano SIM MUP-C7801-2", "Socket Nano Sim 7pin (6+1)", MFR=MUP, Company ID="VT_CONN_SIM MUP-C7801-2", MPN=MUP-C7801-2
J8: library part TP, "1mm - 1 layer"
L1: library part "Inductor 3225 2.2uH", "FIXED IND 2.2UH 1.6A 76 MOHM SMD", MFR=Murata, MPN=LQH32PN2R2NN0, MPN2=SWPA3015S2R2NT, Company ID="VT_IND_3225 2.2uH", Size="L3225: 2.2uH"
L2: library part "Inductor 33uH, 1.5A", "FIXED IND 33UH 1.5A 286 MOHM SMD", MFR=SunLord, MPN=SWPA6028S330MT, Company ID=VT_IND_33uH/1.5A
L4: library part "Inductor 0402 6.8nH", "FIXED IND 6.8NH 430MA 250 MOHM", MFR="Taiyo Yuden", MPN=HK10056N8J-T, Company ID="VT_IND_0402 6.8nH", Size="L0402: 6.8nH"
LS1: library part "Speaker SMD", "AUDIO MAGNETIC IND 2-5V SMD", MFR=China, MPN=CMI-9653S-SMT, Company ID="VT_Buzzer 3V 9mm SMD"
LS2: library part Speaker, "Buzzer 9*6mm (D*h)", MFR=China, MPN=TMB09A03, Company ID="VT_Buzzer 3V 9mm"
P2: library part "Header 4x1", "Header, 4 Pin Pitch 2.54mm", MPN=S1012EC-40-ND, CompanyID=VT-00125, Solder=WAVE
Q1 Q3 Q4 Q5 Q6 Q8 Q9 Q10 Q11 Q12 Q14 Q15 Q16 Q17: library part "Transistor 2N3904", "TRANS NPN 40V 0.2A SOT-23", MFR=Fairchild, MPN=MMBT3904, Company ID=VT_TRANSISTOR_3904
Q2 Q7: library part IRLML6402TRPBF, "MOSFET P-CH 30V 3.6A SOT-23-3", MFR="Infineon Technologies", Categories=TRANSISTOR, MPN=IRLML6402TRPBF
Q13: library part "Transistor 2N3906", "TRANS PNP 40V 0.2A SOT23", MFR=Fairchild, MPN=MMBT3906, Company ID=VT_TRANSISTOR_3906
R1 R2 R3: library part "Res 0603 510K", "RES SMD 510K OHM 1% 1/10W 0603", MFR=Yageo, MPN=RC0603FR-07510KL, Size="R0603: 510K"
  R1 R2: Company ID="VT_ĐIỆN TRỞ_R0603 510K"
  R3: Company ID="VT_RES_R0603 510K"
R4 R5 R11 R19 R20 R22 R23 R29 R30 R31 R33 R36 R38 R39 R42 R43 R44 R45 R46 R47 R48 R55 R56 R59 R60 R61 R62 R69 R70 R72 R74: library part "Res 0603 10K", "RES SMD 10K OHM 1% 1/10W 0603", MFR=Yageo, MPN=RC0603FR-0710KL, Size="R0603: 10K"
  R4 R5 R11 R20 R23 R33 R38 R39 R42 R43 R45 R46 R47 R48 R55 R56 R60 R61 R69 R70 R74: Company ID="VT_RES_R0603 10K"
  R19 R22 R29 R30 R31 R36 R44 R59 R62 R72: Company ID="VT_ĐIỆN TRỞ_R0603 10K"
R6 R7 R57: library part "Res 0402 0R", "RES SMD 0 OHM JUMPER 1/16W 0402", MFR=Yageo, MPN=RC0402FR-070RL, Package=0402, Company ID="VT_ĐIỆN TRỞ_R0402 0R", Size="R0402: 0R"
R8 R16 R18 R32 R34 R35 R37: library part "Res 0603 4.7K", "RES SMD 4.7K OHM 1% 1/10W 0603", MFR=Yageo, MPN=RC0603FR-074K7L, Company ID="VT_RES_R0603 4.7K", Size="R0603: 4.7K"
R9 R15 R21 R63 R68 R71 R73 R75: library part "Res 0603 1K", "RES SMD 1K OHM 1% 1/10W 0603", MFR=Yageo, MPN=RC0603FR-071KL, Size="R0603: 1K"
  R9 R15 R21 R63: Company ID="VT_RES_R0603 1K"
  R68 R71 R73 R75: Company ID="VT_ĐIỆN TRỞ_R0603 1K"
R10: library part "Res 0603 27K", "RES SMD 27K OHM 1% 1/10W 0603", MFR=YAGEO, MPN=AF0603FR-0727KL, Company ID="VT_RES_R0603 27K", Size="R0603: 27K"
R12: library part "Res 0603 150K", "RES SMD 150K OHM 1% 1/10W 0603", MFR=YAGEO, MPN=RE0603FRE07150KL, Company ID="VT_RES_R0603 150K", Size="R0603: 150K"
R13 R14 R17: library part "Res 0603 22R", "RES SMD 22 OHM 1% 1/10W 0603", MFR=Yageo, MPN=RC0603FR-0722RL, Company ID="VT_ĐIỆN TRỞ_R0603 22R", Size="R0603: 22R"
R24 R54: library part "Res 0603 100K", "RES SMD 100K OHM 1% 1/10W 0603", MFR=Yageo, MPN=RC0603FR-07100KL, Size="R0603: 100K"
  R24: Company ID="VT_RES_R0603 100K"
  R54: Company ID="VT_ĐIỆN TRỞ_R0603 100K"
R25 R28: library part "Res 0603 330R", "RES SMD 330OHM 1% 1/10W 0603", MFR=Yageo, MPN=RC0603FR-07330RL, Company ID="VT_ĐIỆN TRỞ_R0603 330R", Size="R0603: 330R"
R26 R27: library part "Res 0603 0R", "RES SMD 0 OHM JUMPER 1/10W 0603", MFR=Yageo, MPN=RC0603FR-070RL, Company ID="VT_ĐIỆN TRỞ_R0603 0R", Size="R0603: 0R"
R40 R41 R50 R52 R53: library part "Res 0603 68K", "RES SMD 68K OHM 1% 1/10W 0603", MFR=Yageo, MPN=RC0603FR-0768KL, Company ID="VT_ĐIỆN TRỞ_R0603 68K", Size="R0603: 68K"
R49: library part "Res 0603 1M", "RES SMD 1M OHM 1% 1/10W 0603", MFR=Yageo, MPN=RC0603FR-071ML, Company ID="VT_RES_R0603 1M"
R51: library part "Res 0603 210K", "RES SMD 210K OHM 1% 1/10W 0603", MFR=Yageo, MPN=RC0603FR-07210KL, Company ID="VT_ĐIỆN TRỞ_R0603 210K", Size="R0603: 210K"
R64 R65 R66 R67: library part "Res 0603 120R", "RES SMD 120 OHM 1% 1/10W 0603", MFR=Yageo, MPN=AF0603FR-07120RL, Company ID="VT_RES_ R0603 120R", Size="R0603: 120R"
U1: library part MP9486AG, "IC REG 100V INPT 3.5A SWITCH CUR", MFR=MPS, MPN=MP9486AGN-Z, Company ID=VT_IC_MP9486A
U2: library part SIM-E-MFF2-GL-250, "SIM Cards eUICC MFF2 Global SIM", MFR=HoloGram, Category=IC, MPN=SIM-E-MFF2-GL-250, PinCount=8, Solder=SMT
U3: "LTE CAT 1 module, 2,3,4G", MFR=SIMCOM, MPN=A7672S, Company ID=VT_Module_A7672S
U4: library part MAX2659, "IC RF AMP GPS 1575.42MHZ 6UDFN", MFR="Maxim Integrated", Company ID=VT_IC_MAX2659, MPN=MAX2659ELT+T
U5: "SAW Filter RF 1561.1MHz /1575.42MHz/1602MHz 1.9dB 50Ohm SMD 5 Pin Ammo", MFR=Murata, Category=MODULE, MPN=SAFFB1G56KB0F0A, PinCount=5
U6: "IC RFID RDR/TRN 13.56MZ 32VFQFPN", MFR=ST, MPN=CR95HF-VMD5T, Company ID=VT_IC_CR95HF
U7: library part "Flash 64Mb SOIC8", "IC FLASH 64MBIT CMOS SPI 8SOIC", MFR=Cypress, MPN=S25FL164K0XMFI013, MPN2="W25Q64JVSSIQ TR", Company ID="VT_IC_Bộ nhớ 8M 02"
U8: "ACCELEROMETER 2-16G I2C 12LGA", MFR="Kionix Inc.", Package="LGA-12 Kionix", Company ID=VT_IC_KXTJ3-1057, MPN=KXTJ3-1057
U9: "ACCEL 2-16G I2C/SPI 16LGA", MFR=ST, Company ID=VT_IC_LIS3DSH, MPN=LIS3DSHTR
X1: library part XTAL-XRCBG27M, "CRYSTAL 27.12MHz RoHS", MFR=Murata, MPN=XRCGB27M120F3M00R0, Company ID="VT_CRYSTAL_SMD 27.12MHz"

## Via types
v1: diameter 0.5, hole 0.3, Top Layer to Bottom Layer, tented both sides, 368 vias
v2: diameter 0.5, hole 0.3, Top Layer to Bottom Layer, 3 vias

## Nets (pads, with @x,y where several pads share a name; then routed paths per layer and width w, separated by ;. In a path a pad name is that pad's centre, name@x,y a point inside that pad or via, vN(x,y) a via of type N, cw(c..) or ccw(c..) an arc to the next point about the centre after c; other vN are vias at no path point)
1V8: C11.2 C12.2 C19.1 C43.2 C44.2 C45.2 C46.2 C47.2 C48.2 J8.1 Q14.1 R18.2 R20.2 R29.2 R30.2 R31.2 R32.2 R34.2 R35.2 R38.2 R39.2 R44.2 R45.2 R46.2 R60.2 U3.15 U3.97 U7.8 U8.3 U8.7 U8.10 U8.11 U9.1 U9.8 U9.14 | length 78.3
  Top Layer w0.3: C43.2@20.121,36.647 R29.2@21.564,36.647 R30.2@23.008,36.647 24.146,36.647 ; v1(26.245,35.706) 25.579,36.372 25.579,36.383 25.329,36.633 R31.2@25.279,36.633 25.265,36.647 24.146,36.647 ; U7.8@27.148,43.863 24.802,43.863 24.146,43.207 24.146,36.647
  Top Layer w0.4: v1(16.256,20.369) 16.345,20.458 R60.2@17.466,20.458 ; Q14.1@24.754,20.044 24.754,21.512 v1(24.802,21.56) ; v1(29.75,35.563) 31.936,35.563 R20.2@31.999,35.5 ; v1(31.784,25.425) R18.2@31.784,26.574 31.784,28.99 v1(32.068,29.274) ; v1(35.222,25.386) 35.222,25.846 35.773,26.397 35.773,26.447 35.973,26.647 R32.2@36.023,26.647 37.724,26.647 37.924,26.447 37.924,26.397 38.471,25.849 v1(38.471,25.177)
  Bottom Layer w0.254: v1(5.313,48.625) 6.955,50.267 v1(10.7,50.267) ; 11.186,49.977 11.186,48.848 11.459,48.575 11.745,48.575 12.23,48.09 U3.97@13.95,48.09 ; v1(26.245,35.706) 26.245,37.618 26.402,37.774 26.402,38.024 26.425,38.047 U9.14@26.675,38.047 ; U9.1@26.95,39.848 26.95,42.061 C47.2@27.132,42.243 29.456,42.243 R34.2@29.542,42.329 29.333,42.538 29.333,42.74 v1(28.757,43.316) ; U9.8@29.225,38.047 29.248,38.024 29.604,38.024 31.004,36.625 31.999,36.625 32.2,36.424 ; C46.2@31.23,35.563 31.372,35.706 32.2,35.706 32.2,36.424 ; U8.11@32.187,37.655 32.187,37.163 32.2,37.151 U8.10@32.2,37.142 32.2,36.424 ; U8.3@33.2,38.667 33.2,39.599 33.652,40.051 33.702,40.051 33.975,40.324 C44.2@33.975,40.374 ; U8.7@33.7,37.142 33.7,35.836 33.973,35.563 v1(35.122,35.563)
  Bottom Layer w0.3: v1(38.471,25.177) 38.79,24.859 R46.2@38.79,24.07 ; v1(49.526,24.921) 49.556,24.891 49.556,24.099 R45.2@49.58,24.075 ; R44.2@53.187,24.075 v1(53.187,25.056)
  Bottom Layer w0.4: v1(29.75,35.563) C46.2@31.23,35.563 ; v1(29.884,71.71) 29.899,71.695 30.271,71.695 31.926,70.039 31.926,69.114 U3.15@31.95,69.09 ; C44.2@33.975,40.374 33.975,41.954 33.65,42.279 R35.2@33.65,42.329 33.7,42.279 v1(35.122,42.279) ; R39.2@35.217,24.075 35.217,25.381 v1(35.222,25.386) ; R38.2@45.97,24.075 46.02,24.075 46.22,24.275 46.22,24.325 46.816,24.921 v1(49.526,24.921)
  other v1: 11.487,50.267 28.756,71.71 29.32,72.716 28.756,73.604 29.884,73.604
2V8: C9.2 U3.99 | length 33.2
  Signal Layer 2 w0.3: v1@15.851,67.042 17.706,68.897 30.476,68.897 35.261,64.112 v1(42.921,64.112)
  Bottom Layer w0.3: U3.99@13.95,67.1 v1(15.91,67.1) v1@15.962,67.153 ; v1(42.921,64.112) 44.235,64.112 C9.2@44.257,64.09
4V: 4V.0 C4.1 C5.1 C6.2 C7.2 C10.2 C13.1 C14.2 C15.2 C16.2 C17.2 D5.1 D7.2 L2.2 Q2.2 Q13.2 R3.2 R11.1 R23.2 R47.2 R48.2 R62.2 R75.2 U3.55 U3.56 U3.57 | length 105.6
  Top Layer w0.3: 15.064,52.642 15.072,52.634 15.072,46.501 16.645,44.928 v1(16.686,44.928) ; L2.2@51.155,45.129 52.642,45.129 L2.2@53.567,46.054
  Top Layer w0.5: Q13.2@24.754,12.966 24.912,12.966 24.962,13.016 24.962,14.522 25.179,14.739 25.179,16.85 v1(25.597,17.268) ; v1(38.692,35.666) 39.417,34.941 R3.2@39.417,33.556 39.367,33.506 C5.1@39.367,32.156
  Signal Layer 2 w0.5: v1(22.865,13.194) 22.865,14.536 v1(25.597,17.268) 36.193,17.268 36.211,17.286 ; v1(36.211,47.561) 36.211,35.879 ; v1(38.692,35.666) 36.424,35.666 36.211,35.879 ; v1(39.051,14.446) 36.211,17.286 ; v1(49.268,17.334) 36.259,17.334 36.211,17.286 ; 36.211,17.286 36.211,35.879
  Bottom Layer w0.3: v1(16.686,44.928) 16.686,43.02 16.959,42.747 R62.2@19.3,42.747 ; R11.1@21.408,11.772 D7.2@21.408,13.194
  Bottom Layer w0.5: U3.55@13.95,52.09 v1(15.672,52.09) ; U3.56@13.95,53.09 v1(15.672,53.09) ; U3.57@13.95,54.09 v1(15.672,54.09) ; D7.2@21.408,13.194 v1(22.865,13.194) ; v1(25.597,17.268) 25.665,17.336 R23.2@25.665,18.324 C10.2@25.665,19.724 25.665,20.686 25.988,21.008 26.695,21.008 26.745,21.058 Q2.2@26.745,21.15 ; v1(39.051,14.446) 39.351,14.746 R48.2@39.351,15.634 ; R47.2@48.1,16.923 48.177,17 48.934,17 v1(49.268,17.334)
  other v1: 46.2,47.561 16.405,52.145 16.46,53.09 16.46,54.103
4V_RF: C33.2 Q2.3 R33.2 U6.13 U6.21 U6.32 | length 23.7
  Top Layer w0.254: U6.32@23.95,30.8 23.95,31.5 v1(24.25,31.8) ; U6.13@25.95,25.8 25.95,24.375 26.626,23.698 26.626,23.648 26.899,23.375 R33.2@26.949,23.375 28.709,23.375 28.719,23.385 28.704,23.385 v1(28.699,23.39) ; U6.21@28.2,28.55 28.205,28.545 29.357,28.545 v1(29.362,28.54)
  Bottom Layer w0.3: v1(24.25,31.8) 28.494,31.8 29.362,30.932 v1(29.362,28.54) 29.362,24.958 ; C33.2@27.645,25.056 29.264,25.056 29.362,24.958 ; Q2.3@27.695,23.4 C33.2@27.695,24.927 ; v1(28.699,23.39) 28.746,23.437 29.012,23.437 29.362,23.787 29.362,24.958
"ACC IN": H1.1 R51.1 | length 13.2
  Bottom Layer w0.381: H1.1@44.093,5.664 44.093,10.674 45.531,12.112 49.321,12.112 50.989,13.78 R51.1@50.989,13.83
ADC_5V: D9.2 H1.2 R36.2 R40.1 | length 14.3
  Top Layer w0.5: R36.2@41.895,10.673 41.895,10.623 44.093,8.425 H1.2@44.093,5.664
  Bottom Layer w0.3: v1(42.864,9.62) 42.864,12.561 44.26,13.957 ; R40.1@44.123,15.66 44.26,15.524 44.26,13.957 ; D9.2@44.976,14.27 45.326,13.92 D9.2@45.326,13.82 45.189,13.957 44.26,13.957
ADC_POWER_IN: C30.2 R12.1 R16.2 U3.25 | length 36.1
  Top Layer w0.3: v1(38.471,29.274) 39.687,29.274 R16.2@39.76,29.201
  Top Layer w0.5: R12.1@39.76,26.101 C30.2@39.76,27.701 R16.2@39.76,29.201
  Signal Layer 1 w0.3: v1(35.877,56.187) 37.557,54.507 37.557,30.188 v1(38.471,29.274)
  Bottom Layer w0.3: v1(35.877,56.187) 35.877,57.574 36.393,58.09 U3.25@37.95,58.09
ALT2: C51.2 D4.2 D10.2 H2.3 R41.1 | length 13
  Top Layer w0.5: C51.2@34.912,11.32 34.935,11.343 36.627,11.343 D4.2@36.65,11.365
  Bottom Layer w0.3: R41.1@34.236,15.634 34.158,15.556 D10.2@34.158,13.83 34.158,12.124 37.212,9.07 H2.3@37.212,5.664
  other v1: 34.85,11.432
BUZZER: R15.1 U3.47 | length 27.8
  Signal Layer 1 w0.254: v1(21.167,47.3) 21.728,47.3 22.653,46.375 v1(22.653,24.936)
  Bottom Layer w0.254: v1(21.167,47.3) 21.95,46.517 U3.47@21.95,45.09 ; R15.1@22.165,23.187 22.165,23.237 22.438,23.51 22.488,23.51 22.653,23.675 v1(22.653,24.936)
DOOR: H2.4 Q17.3 R63.1 | length 44.3
  Top Layer w0.254: v1(33.229,8.557) 34.969,8.557 36.739,6.787 37.212,6.314 H2.4@37.212,5.664
  Bottom Layer w0.254: Q17.3@20,35.371 20,32.909 ; R63.1@23.25,32.909 20,32.909 ; v1(33.229,8.557) 33.229,8.574 29.898,11.904 26.948,11.904 23.788,15.064 21.265,15.064 19.968,16.36 19.968,21.513 20,21.545 20,32.909
E_CLK: J3.3 R14.2 U2.6 | length 8.3
  Top Layer w0.254: U2.6@17.959,80.639 18.017,80.581 18.787,80.581 19.352,80.016 19.352,78.128 v1(19.345,78.121)
  Bottom Layer w0.254: R14.2@19.32,76.191 19.345,76.216 v1(19.345,78.121) 21.772,78.121 22.02,78.369 J3.3@22.02,78.415
E_DATA: J3.7 R17.2 U2.3 | length 18.7
  Top Layer w0.254: v1(11.628,81.48) 11.628,80.788 11.777,80.639 U2.3@12.859,80.639
  Bottom Layer w0.254: v1(11.628,81.48) 11.675,81.527 11.849,81.527 11.872,81.549 21.605,81.549 23.29,79.864 23.29,77.495 22.237,76.442 22.237,76.367 21.964,76.094 R17.2@21.914,76.094
E_RST: J3.2 R13.2 U2.7 | length 12.2
  Top Layer w0.254: U2.7@17.959,81.909 18.059,81.909 18.187,82.037 18.187,82.105 18.336,82.254 v1(19.491,82.254)
  Bottom Layer w0.254: v1(19.491,82.254) 23.068,82.254 24.56,80.762 J3.2@24.56,78.415 24.616,78.359 24.616,76.1 R13.2@24.663,76.054